# Altium PCB AX7021B.PcbDoc (part 5 of 6)
Units mil, origin at the board's own origin, x right, y up, seen from the top; angles counter-clockwise.
Board outline 5906.91 x 4331.71 mil, 4 copper layers (TOP, SGND, SVCC, BOTTOM), stack 63 mil thick; 463 components, 582 nets, 2114 pads, 861 vias.
Unrouted connection lines stored in the file: 129.
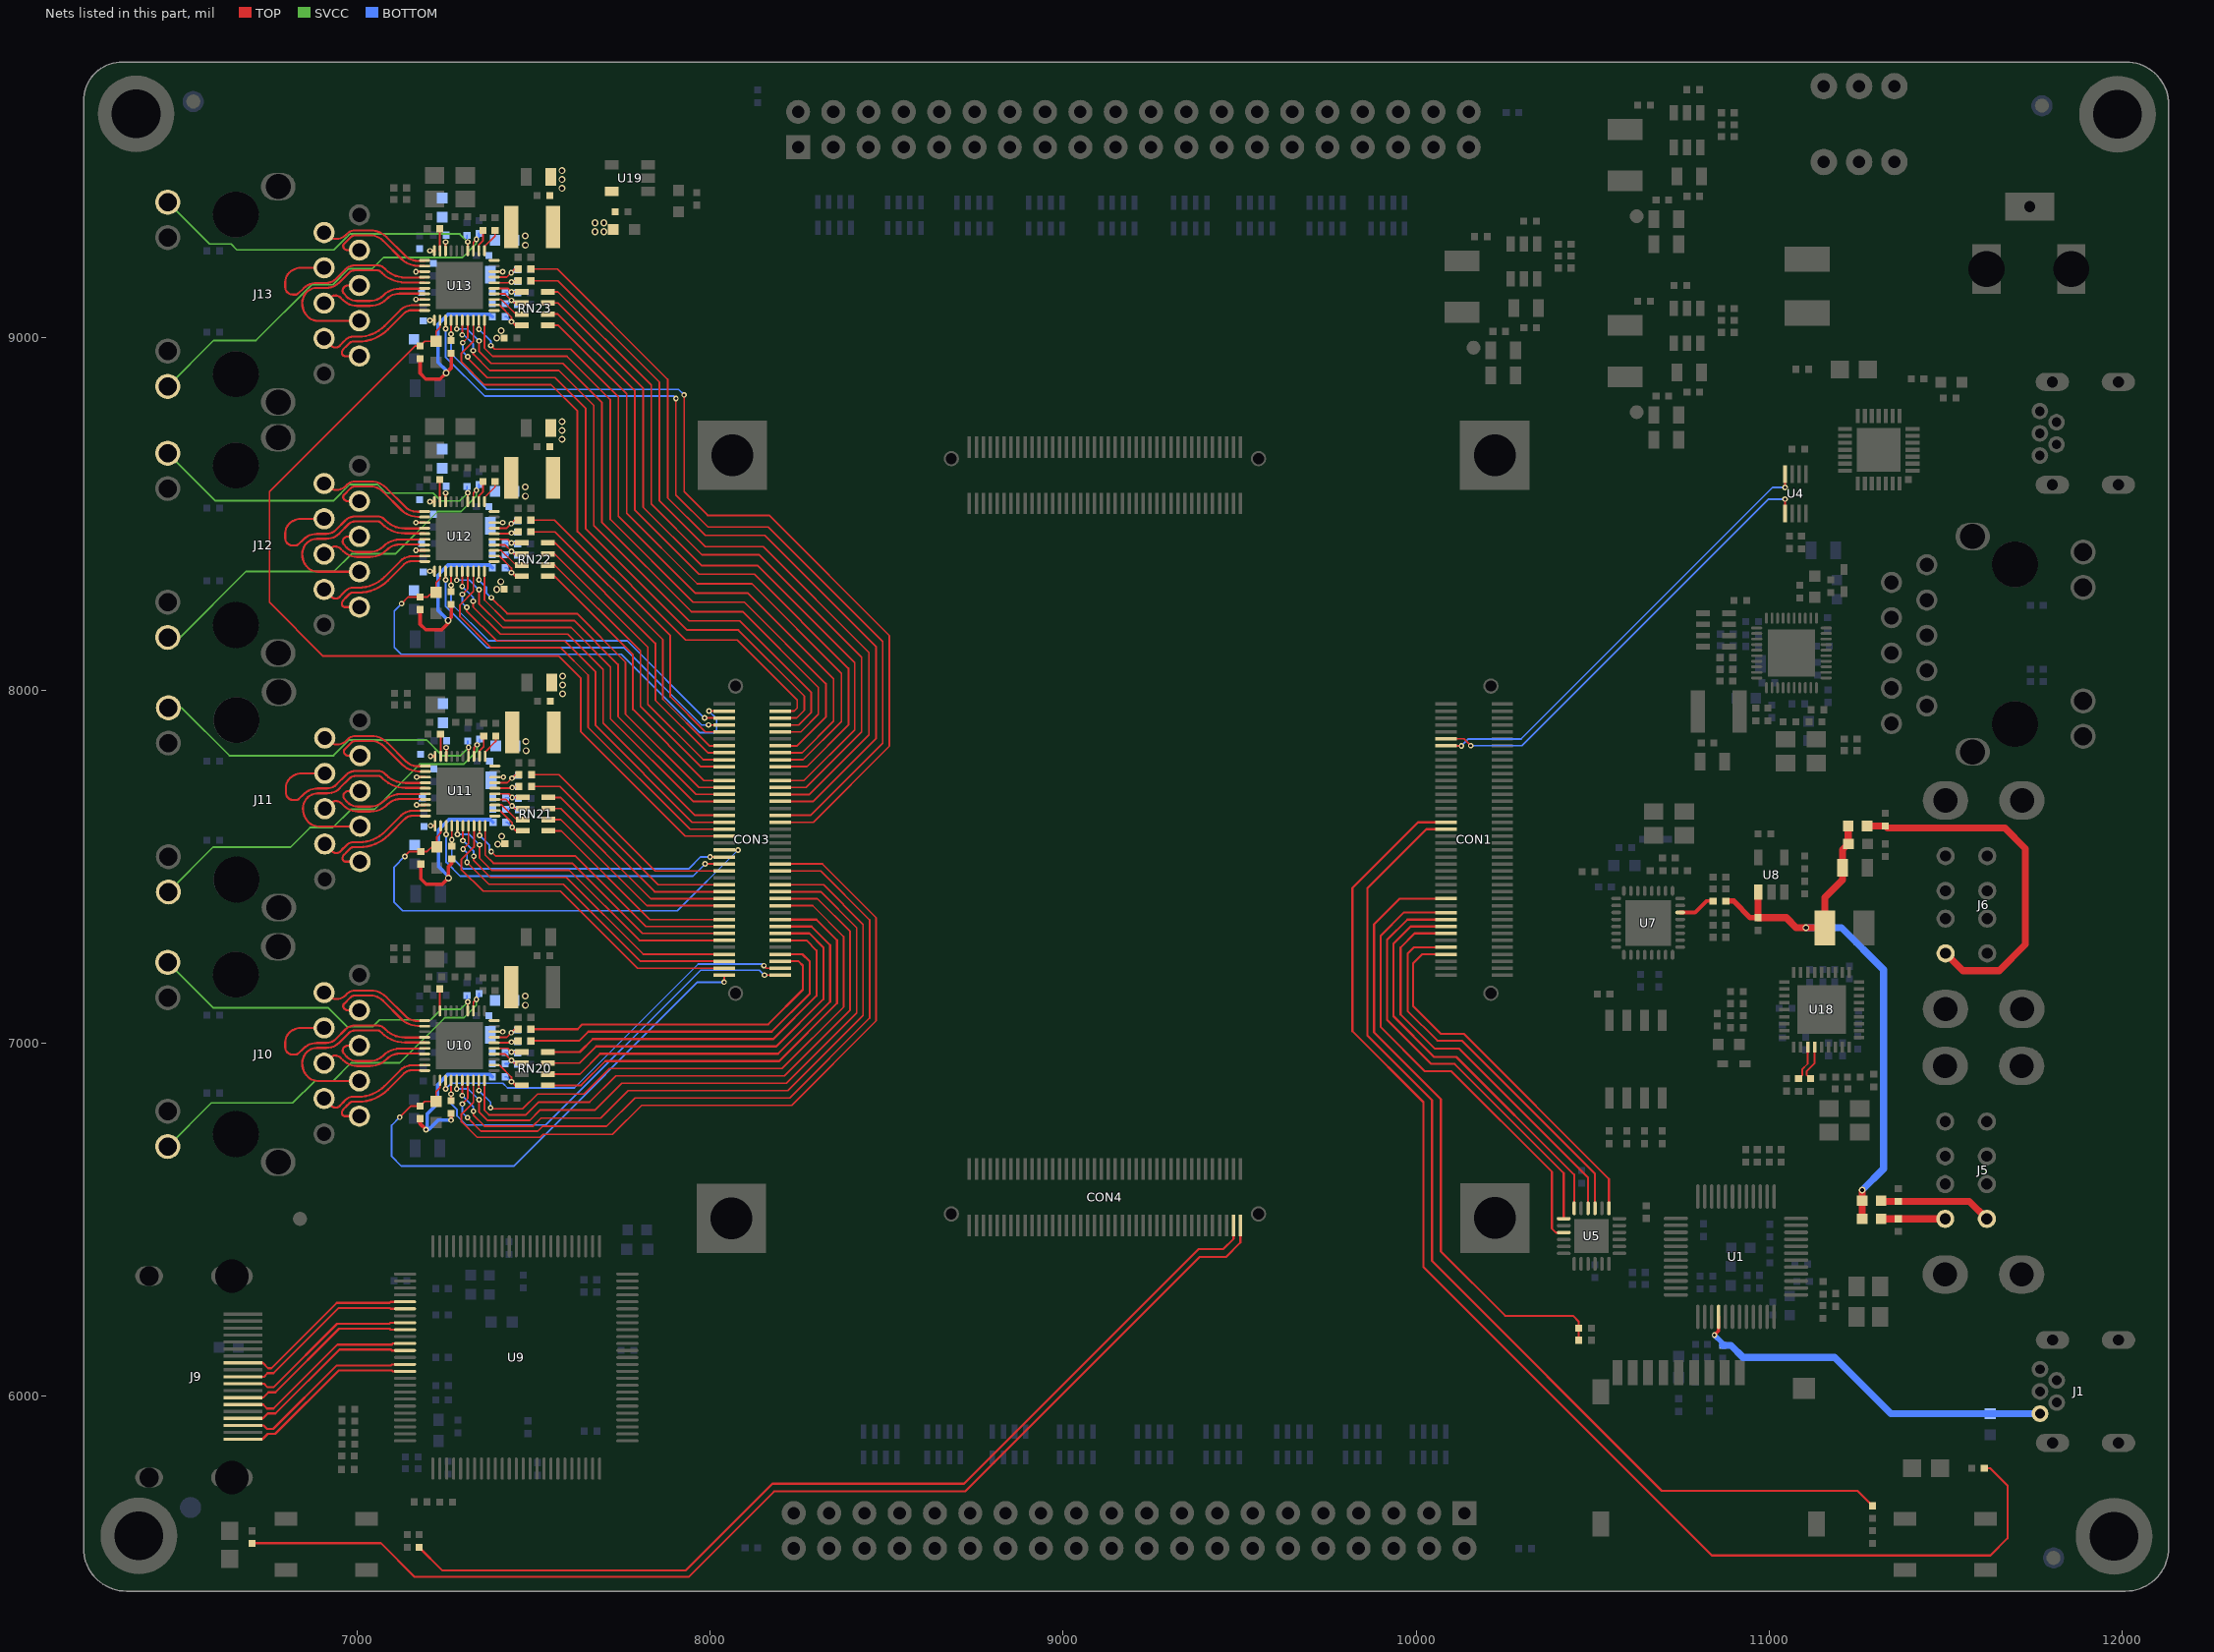
[diagram p7: the nets of this part, all layers, seen from the top]

## Via types
v1: diameter 16, hole 8, TOP to BOTTOM, 459 vias
v2: diameter 19, hole 12, TOP to BOTTOM, 320 vias
v3: diameter 19.69, hole 11.81, TOP to BOTTOM, 82 vias

## Nets (pads, with @x,y where several pads share a name; then routed paths per layer and width w, separated by ;. In a path a pad name is that pad's centre, name@x,y a point inside that pad or via, vN(x,y) a via of type N, cw(c..) or ccw(c..) an arc to the next point about the centre after c; other vN are vias at no path point) (continued)
PHY2_IODVDD: C1501.1 C1502.1 L69.2 R1043.2 R1055.2 R1056.2 R1057.2 R1060.2 U10.28 | length 474.7
  TOP w5: U10.28@7388.38,7033.1 v1(7412.49,7033.1)
  TOP w10: R1060.2@7178.45,6786.75 7178.45,6772.5 v1(7195,6755.95) ; v1(7266.37,6782.52) R1043.2@7266.37,6801.73
  BOTTOM w10: v1(7266.37,6782.52) 7229.92,6782.52 7203.35,6755.95 v1(7195,6755.95) 7198.26,6759.21 7198.26,6799.9 7227.71,6829.35 7227.71,6882.5 7257.98,6912.77 7375.87,6912.77 R1057.2@7383.35,6905.29
PHY2_LED1: J10.14 R1046.1 U10.33 | length 1112.6
  TOP w5: U10.33@7329.33,7092.15 7329.33,7116.35 v1(7337.78,7124.8)
  SVCC w5: J10.14@6463.63,6708.02 6587.03,6831.42 6817.72,6831.42 6879.56,6893.26 6931.26,6893.26 6982.88,6944.88 7120.31,6944.88 7248.43,7073 7303.08,7073 7337.78,7107.7 v1(7337.78,7124.8)
  BOTTOM w5: v1(7337.78,7124.8) 7345.76,7132.78 R1046.1@7345.76,7141.18
PHY2_LED2: J10.11 R1047.1 U10.34 | length 998.9
  TOP w5: U10.34@7313.58,7092.15 v1(7313.58,7117.21)
  SVCC w5: J10.11@6463.63,7229.67 6592.73,7100.57 6918.79,7100.57 6972.04,7047.32 7044.5,7047.32 7063.85,7066.67 7208.55,7066.67 7238.66,7096.78 7293.15,7096.78 v1(7313.58,7117.21)
  BOTTOM w5: R1047.1@7311.36,7135.72 7311.36,7119.43 v1(7313.58,7117.21)
PHY2_MDC: CON3.3 U10.13 | length 1134.9
  TOP w5: v1(7250.59,6871.01) U10.13@7250.59,6895.3 ; v1(8152.37,7220.12) 8159.44,7213.05 CON3.3@8199.12,7213.05
  BOTTOM w5: v1(7250.59,6871.01) 7266.55,6886.97 7413.21,6886.97 7426.21,6873.97 7615.5,6873.97 7966.25,7224.72 8147.77,7224.72 v1(8152.37,7220.12)
PHY2_MDI0_N: J10.P3 U10.2 | length 327.9
  TOP w6: J10.P3@7006.54,7093.85 6973.33,7093.85 cw(c6973.34,7106.86) 6964.14,7097.66 cw(c6972.52,7106.05) 6960.66,7106.05 cw(c6969.2,7106.07) 6963.16,7112.11 6981.48,7130.43 cw(c6994.64,7117.27) 6994.64,7135.88 7037.38,7135.88 cw(c7037.38,7084.6) 7073.64,7120.86 7125.73,7068.77 ccw(c7171.84,7114.88) 7171.84,7049.67 7190.7,7049.67 U10.2@7191.53,7048.84
PHY2_MDI0_P: J10.P2 U10.1 | length 328.8
  TOP w6: J10.P2@6906.54,7143.85 6913.16,7137.23 ccw(c6940.82,7164.89) 6968.48,7137.23 6971.58,7140.33 cw(c6994.64,7117.26) 6994.64,7149.88 7037.39,7149.88 cw(c7037.38,7084.6) 7083.54,7130.76 7135.63,7078.67 ccw(c7171.84,7114.88) 7171.84,7063.67 7190.61,7063.67 U10.1@7191.53,7064.59
PHY2_MDI1_N: J10.P7 U10.5 | length 591
  TOP w6: 6858.54,6976.22 ccw(c6886.32,6946.91) 6857.65,6975.35 ccw(c6888.79,6944.21) 6844.74,6944.21 6844.74,6943.77 ccw(c6899.41,6943.77) 6860.75,6905.12 ccw(c6887.96,6932.33) 6887.96,6893.85 J10.P7@7006.54,6893.85 ; 6858.53,6976.23 cw(c6886.19,6946.8) 6886.19,6987.19 6913.15,6987.19 ccw(c6913.15,7038.4) 6949.36,7002.19 6976.72,7029.56 cw(c6993.48,7012.79) 6993.48,7036.5 7058.54,7036.5 cw(c7058.54,7024.69) 7066.89,7033.04 7070.55,7029.38 ccw(c7135.54,7094.37) 7135.54,7002.46 7190.67,7002.46 U10.5@7191.53,7001.6
PHY2_MDI1_P: J10.P4 U10.4 | length 591.2
  TOP w6: J10.P4@6906.54,7043.85 6841.79,7043.85 ccw(c6841.79,6995.1) 6807.32,7029.57 ccw(c6833.25,7003.64) 6796.58,7003.64 6796.58,6988.48 ccw(c6815.77,6988.48) 6802.2,6974.91 6802.77,6974.34 ccw(c6817.77,6989.35) 6817.77,6968.13 6825.93,6968.13 ccw(c6825.93,6977.08) 6832.26,6970.75 6848.94,6986.43 cw(c6886.19,6946.8) 6886.19,7001.19 6913.14,7001.19 ccw(c6913.15,7038.4) 6939.46,7012.09 6966.82,7039.46 cw(c6993.48,7012.79) 6993.48,7050.5 7058.55,7050.5 cw(c7058.54,7024.69) 7076.79,7042.94 7080.45,7039.28 ccw(c7135.54,7094.37) 7135.54,7016.46 7190.64,7016.46 U10.4@7191.53,7017.35
PHY2_MDI2_N: J10.P6 U10.7 | length 311.4
  TOP w6: J10.P6@6906.54,6943.85 6921.21,6958.52 cw(c6937.66,6942.07) 6954.12,6958.52 6960.41,6952.23 ccw(c6999.74,6991.56) 6999.74,6935.94 7035.99,6935.94 ccw(c7035.99,7004.39) 7084.39,6955.99 cw(c7120.51,6919.87) 7120.51,6970.95 7190.68,6970.95 U10.7@7191.53,6970.1
PHY2_MDI2_P: J10.P5 U10.6 | length 310.8
  TOP w6: J10.P5@7006.54,6993.85 6974.03,6993.85 ccw(c6974.03,6979.51) 6963.88,6989.64 6962.51,6988.28 ccw(c6970.88,6979.91) 6961.8,6972.31 6970.31,6962.13 ccw(c6999.74,6991.56) 6999.74,6949.94 7035.98,6949.94 ccw(c7035.99,7004.39) 7074.49,6965.89 cw(c7120.51,6919.87) 7120.51,6984.95 7190.63,6984.95 U10.6@7191.53,6985.85
PHY2_MDI3_N: J10.P9 U10.10 | length 336.1
  TOP w6: J10.P9@7006.54,6793.85 6965.84,6793.85 cw(c6965.84,6802.83) 6956.86,6802.83 cw(c6972.07,6802.86) 6961.11,6813.41 6969.59,6822.22 6977.9,6830.53 cw(c6988.31,6820.11) 6988.3,6834.84 7004.49,6834.84 ccw(c7004.49,6952.05) 7087.37,6869.17 7133.06,6914.86 cw(c7154.35,6893.57) 7154.35,6923.68 7190.71,6923.68 U10.10@7191.53,6922.86
PHY2_MDI3_P: J10.P8 U10.9 | length 336.7
  TOP w6: J10.P8@6906.54,6843.85 6927.45,6822.93 ccw(c6939.13,6834.61) 6951.03,6823.15 6959.5,6831.94 cw(c6973.77,6817.93) 6959.76,6832.2 6968,6840.44 cw(c6988.3,6820.11) 6988.29,6848.84 7004.5,6848.84 ccw(c7004.49,6952.05) 7077.47,6879.07 7123.16,6924.76 cw(c7154.35,6893.57) 7154.35,6937.68 7190.6,6937.68 U10.9@7191.53,6938.61
PHY2_MDIO: CON3.1 R1043.1 U10.14 | length 1240.7
  TOP w5: R1043.1@7266.37,6837.73 7266.37,6855.79 7266.33,6855.83 v1(7266.33,6856.53) U10.14@7266.33,6895.3 ; v1(8153.87,7193.36) CON3.1@8199.12,7193.36
  BOTTOM w5: v1(7266.33,6856.53) 7266.33,6829.24 7283.05,6812.52 7283.05,6794.63 7308.85,6768.83 7534.7,6768.83 7973.33,7207.46 8139.77,7207.46 v1(8153.87,7193.36)
PHY2_REGOUT: L66.1 U10.30
PHY2_RESET: C1510.1 CON3.2 R1060.1 U10.12 | length 1494.9
  TOP w5: v1(7120.91,6790.86) 7152.8,6822.75 R1060.1@7178.45,6822.75 7191.57,6835.87 C1510.1@7223.96,6835.87 7223.96,6863.87 7234.84,6874.75 U10.12@7234.84,6895.3 ; v1(8039.68,7173.54) CON3.2@8039.68,7193.36
  BOTTOM w5: v1(7120.91,6790.86) 7098.1,6768.05 7098.1,6679.76 7125.64,6652.22 7443.2,6652.22 7964.52,7173.54 v1(8039.68,7173.54)
PHY2_RSET: R1050.2 U10.39 | length 62.6
  TOP w6: R1050.2@7234.46,7154.63 7234.58,7154.51 7234.58,7092.41 U10.39@7234.84,7092.15
PHY2_RXC_ADR1: R1048.1 R1058.2 U10.27 | length 99.3
  TOP w5: U10.27@7388.38,7017.35 7423.75,7017.35 v1(7436.59,7030.19) 7446.79,7040.39 R1048.1@7456.42,7040.39
  BOTTOM w5: v1(7436.59,7030.19) 7444.75,7038.35 R1058.2@7454.88,7038.35
PHY2_RXCK: CON3.5 R1048.2 | length 953.5
  TOP w6: R1048.2@7492.42,7040.39 7624.53,7040.39 7638.06,7053.92 8164.44,7053.92 8262.68,7152.16 8262.68,7220.54 8250.49,7232.73 CON3.5@8199.12,7232.73
PHY2_RXCTL: CON3.7 R1049.2 | length 1027.7
  TOP w6: R1049.2@7492.42,7007.07 7628.88,7007.07 7654.9,7033.09 8174.61,7033.09 8282.05,7140.53 8282.05,7231.88 8261.51,7252.42 CON3.7@8199.12,7252.42
PHY2_RXCTL_ADR2: R1049.1 R1059.2 U10.26 | length 88.4
  TOP w5: U10.26@7388.38,7001.6 7435.46,7001.6 v1(7437.58,7003.72) 7440.93,7007.07 R1049.1@7456.42,7007.07
  BOTTOM w5: v1(7437.58,7003.72) 7439.57,7005.71 R1059.2@7454.88,7005.71
PHY2_RXD0: CON3.11 RN20.4 | length 1069.8
  TOP w6: RN20.4@7540.28,6975.74 7631,6975.74 7667.52,7012.26 8179.22,7012.26 8301.42,7134.46 8301.42,7263.3 8272.93,7291.79 CON3.11@8199.12,7291.79
PHY2_RXD0_RXDLY: R1054.2 R1055.1 RN20.5 U10.25 | length 120.3
  TOP w5: U10.25@7388.38,6985.85 7427.48,6985.85 v1(7437.59,6975.74) RN20.5@7467.13,6975.74
  BOTTOM w5: R1055.1@7418.94,6974.99 7436.84,6974.99 v1(7437.59,6975.74) 7440.26,6973.07 R1054.2@7454.88,6973.07
PHY2_RXD1: CON3.13 RN20.3 | length 1140.5
  TOP w5: RN20.3@7540.28,6944.24 7629.93,6944.24 7677.12,6991.43
  TOP w6: 7677.12,6991.43 8187.39,6991.43 8320.79,7124.83 8320.79,7271.93 8281.25,7311.47 CON3.13@8199.12,7311.47
PHY2_RXD1_TXDLY: R1053.2 R1056.1 RN20.6 U10.24 | length 134
  TOP w5: U10.24@7388.38,6970.1 7418.92,6970.1 v1(7437.32,6951.7) 7444.78,6944.24 RN20.6@7467.13,6944.24
  BOTTOM w5: R1056.1@7418.94,6942.17 7427.79,6942.17 v1(7437.32,6951.7) 7448.59,6940.43 R1053.2@7454.88,6940.43
PHY2_RXD2: CON3.15 RN20.2 | length 1208.2
  TOP w5: RN20.2@7540.28,6912.75 7630.92,6912.75 7688.77,6970.6
  TOP w6: 7688.77,6970.6 8192.56,6970.6 8340.16,7118.2 8340.16,7278.56 8287.56,7331.16 CON3.15@8199.12,7331.16
PHY2_RXD3: CON3.17 RN20.1 | length 1278.8
  TOP w5: RN20.1@7540.28,6881.25 7634.7,6881.25 7703.22,6949.77
  TOP w6: 7703.22,6949.77 8195.73,6949.77 8359.53,7113.57 8359.53,7292.19 8300.88,7350.84 CON3.17@8199.12,7350.84
PHY2_RXD3_ADR0: R1057.1 RN20.8 U10.22 | length 133.9
  TOP w5: U10.22@7388.38,6938.61 7402.98,6938.61 7437.45,6904.14 v1(7437.45,6891.29) 7447.49,6881.25 RN20.8@7467.13,6881.25
  BOTTOM w5: R1057.1@7419.35,6905.29 7423.45,6905.29 v1(7437.45,6891.29)
PHY2_TXCK: CON3.23 U10.20 | length 1707.7
  TOP w5: U10.20@7360.82,6895.3 7360.82,6810.34 7373.4,6797.76 7478.74,6797.76 7514.75,6833.77 7658.62,6833.77 7732.96,6908.11 8210.49,6908.11 8396.77,7094.39 8396.77,7316.95 8303.82,7409.9 CON3.23@8199.12,7409.9
PHY2_TXCTL: CON3.21 U10.19 | length 1627.1
  TOP w5: v1(7345.07,6866.55) U10.19@7345.07,6895.3 ; v1(7378.1,6817.68) 7381.14,6814.64 7469.24,6814.64 7511.21,6856.61 7643.28,6856.61 7715.61,6928.94 8203.9,6928.94 8378.4,7103.44 8378.4,7302.32 8290.51,7390.21 CON3.21@8199.12,7390.21
  BOTTOM w5: v1(7345.07,6866.55) 7378.1,6833.52 v1(7378.1,6817.68)
PHY2_TXD0: CON3.33 U10.18 | length 2087.2
  TOP w5: U10.18@7329.33,6895.3 7329.33,6833.42 7295.7,6799.79 7295.7,6778.24 7340.03,6733.91 7518.89,6733.91 7527.39,6742.41 7723.78,6742.41 7806.16,6824.79 8231.17,6824.79 8470.25,7063.87 8470.25,7356.47 8318.4,7508.32 CON3.33@8199.12,7508.32
PHY2_TXD1: CON3.31 U10.17 | length 1994.2
  TOP w5: v1(7298.07,6828.5) 7313.58,6844.01 U10.17@7313.58,6895.3 ; v1(7312.71,6789.73) 7350.89,6751.55 7511.64,6751.55 7525.34,6765.25 7706.51,6765.25 7786.88,6845.62 8226,6845.62 8451.88,7071.5 8451.88,7349.84 8313.08,7488.64 CON3.31@8199.12,7488.64
  BOTTOM w5: v1(7298.07,6828.5) 7298.07,6804.37 v1(7312.71,6789.73)
PHY2_TXD2: CON3.27 U10.16 | length 1896.9
  TOP w5: v1(7297.83,6852.45) U10.16@7297.83,6895.3 ; v1(7329.43,6807.93) 7329.43,6797.1 7360.9,6765.63 7498.53,6765.63 7520.99,6788.09 7689.76,6788.09 7768.12,6866.45 8220.41,6866.45 8433.51,7079.55 8433.51,7337.21 8321.45,7449.27 CON3.27@8199.12,7449.27
  BOTTOM w5: v1(7297.83,6852.45) 7329.43,6820.85 v1(7329.43,6807.93)
PHY2_TXD3: CON3.25 U10.15 | length 1840.2
  TOP w5: v1(7282.08,6870.96) U10.15@7282.08,6895.3 ; v1(7345.3,6840.48) 7345.3,6806.42 7369.81,6781.91 7488.85,6781.91 7517.87,6810.93 7673.45,6810.93 7749.8,6887.28 8216.66,6887.28 8415.14,7085.76 8415.14,7327.58 8313.14,7429.58 CON3.25@8199.12,7429.58
  BOTTOM w5: v1(7282.08,6870.96) 7314.82,6870.96 v1(7345.3,6840.48)
PHY3_ADVDDL: C1517.1 C1518.1 C1520.1 L72.2 U11.3 U11.8 U11.38 | length 74.4
  TOP w7.48: v1(7168.74,7675.36) U11.8@7193.52,7675.37 ; v1(7168.74,7754.1) U11.3@7193.52,7754.11 ; U11.38@7252.58,7813.16 v1(7252.57,7837.94)
PHY3_AVDD33: C1522.1 C1523.1 L71.2 U11.11 U11.40 | length 25.8
  TOP w7.5: v1(7208.18,7616.31) U11.11@7221.08,7616.31 ; v1(7208.18,7813.16) U11.40@7221.08,7813.16
PHY3_DVDDL: C1515.1 C1516.1 C1519.1 L70.2 L72.1 U11.21
  other v3: 7398.31,7564.33 7409.35,7586.86 7582.39,7989.97 7582.39,8014.97 7582.39,8039.97
PHY3_ENB_LDO: R1062.1 U11.32 | length 62.4
  TOP w5: U11.32@7347.06,7813.16 7347.06,7829.33 7358.55,7840.82 R1062.1@7358.55,7870.8
PHY3_ETH_RXD2: RN21.7 U11.23 | length 96
  TOP w5: U11.23@7390.37,7675.37 7410.21,7675.37 7451.82,7633.76 RN21.7@7469.12,7633.76
PHY3_INT_N: R1078.2 U11.31 | length 70
  TOP w5: U11.31@7362.81,7813.16 7362.81,7825.4 7392.68,7855.27 R1078.2@7392.68,7870.8
PHY3_IODVDD: C1524.1 C1525.1 L73.2 R1072.2 R1073.2 R1074.2 R1077.2 R1079.2 U11.28 | length 534.1
  TOP w5: U11.28@7390.37,7754.11 v1(7414.48,7754.11)
  TOP w10: R1077.2@7180.44,7507.76 7180.44,7466.24 7196.19,7450.49 7241.32,7450.49 v3(7258.82,7467.99) 7258.82,7500.46 7268.36,7510 R1079.2@7268.36,7522.74
  BOTTOM w10: v3(7258.82,7467.99) 7258.82,7473.22 7231.26,7500.78 7231.26,7605.07 7259.97,7633.78 7377.86,7633.78 R1074.2@7385.34,7626.3
PHY3_LED1: J11.14 R1063.1 U11.33 | length 1112.7
  TOP w5: U11.33@7331.32,7813.16 7331.32,7837.36 v1(7339.77,7845.81)
  SVCC w5: J11.14@6465.62,7429.03 6592.42,7555.83 6811.37,7555.83 6867.16,7611.62 6931.42,7611.62 6982.62,7662.82 7049.14,7662.82 7177.19,7790.87 7302.07,7790.87 7339.77,7828.57 v1(7339.77,7845.81)
  BOTTOM w5: v1(7339.77,7845.81) 7347.75,7853.79 R1063.1@7347.75,7862.19
PHY3_LED2: J11.11 R1064.1 U11.34 | length 997.3
  TOP w5: U11.34@7315.57,7813.16 v1(7315.57,7838.22)
  SVCC w5: J11.11@6465.62,7950.68 6503.02,7950.68 6638.49,7815.21 6933.3,7815.21 6977.61,7859.52 7196.51,7859.52 7241.47,7814.56 7291.91,7814.56 v1(7315.57,7838.22)
  BOTTOM w5: R1064.1@7313.35,7856.73 7313.35,7840.44 v1(7315.57,7838.22)
PHY3_MDC: CON3.34 U11.13 | length 920.9
  TOP w5: v1(7252.58,7592.02) U11.13@7252.58,7616.31 ; v1(7985.81,7508.32) CON3.34@8039.68,7508.32
  BOTTOM w5: v1(7252.58,7592.02) 7252.58,7513.04 7291.85,7473.77 7951.26,7473.77 v1(7985.81,7508.32)
PHY3_MDI0_N: J11.P3 U11.2 | length 327.9
  TOP w6: 6962.65,7827.06 ccw(c6974.51,7827.06) 6966.13,7818.67 ccw(c6975.33,7827.87) 6975.32,7814.86 J11.P3@7008.53,7814.86 ; 6962.65,7827.08 cw(c6971.19,7827.08) 6965.15,7833.12 6983.47,7851.44 cw(c6996.63,7838.28) 6996.63,7856.89 7039.37,7856.89 cw(c7039.37,7805.61) 7075.63,7841.87 7127.72,7789.78 ccw(c7173.83,7835.89) 7173.83,7770.68 7192.69,7770.68 U11.2@7193.52,7769.85
PHY3_MDI0_P: J11.P2 U11.1 | length 328.8
  TOP w6: J11.P2@6908.53,7864.86 6915.15,7858.24 ccw(c6942.81,7885.9) 6970.47,7858.24 6973.57,7861.34 cw(c6996.63,7838.27) 6996.63,7870.89 7039.38,7870.89 cw(c7039.37,7805.61) 7085.53,7851.77 7137.62,7799.68 ccw(c7173.83,7835.89) 7173.83,7784.68 7192.6,7784.68 U11.1@7193.52,7785.6
PHY3_MDI1_N: J11.P7 U11.5 | length 591
  TOP w6: 6860.52,7697.24 cw(c6888.18,7667.81) 6888.18,7708.2 6915.14,7708.2 ccw(c6915.14,7759.41) 6951.35,7723.2 6978.71,7750.57 cw(c6995.47,7733.8) 6995.47,7757.51 ; 6860.53,7697.23 ccw(c6888.31,7667.92) 6859.64,7696.36 ccw(c6890.78,7665.22) 6846.73,7665.22 6846.73,7664.78 ccw(c6901.4,7664.78) 6862.74,7626.13 ccw(c6889.95,7653.34) 6889.95,7614.86 J11.P7@7008.53,7614.86 ; 6995.48,7757.51 7060.53,7757.51 cw(c7060.53,7745.7) 7068.88,7754.05 7072.54,7750.39 ccw(c7137.53,7815.38) 7137.53,7723.47 7192.66,7723.47 U11.5@7193.52,7722.61
PHY3_MDI1_P: J11.P4 U11.4 | length 591.2
  TOP w6: J11.P4@6908.53,7764.86 6843.78,7764.86 ccw(c6843.78,7716.11) 6809.31,7750.58 ccw(c6835.24,7724.65) 6798.57,7724.65 6798.57,7709.49 ccw(c6817.76,7709.49) 6804.19,7695.92 6804.76,7695.35 ccw(c6819.76,7710.36) 6819.76,7689.14 6827.92,7689.14 ccw(c6827.92,7698.09) 6834.25,7691.76 6850.93,7707.44 cw(c6888.18,7667.81) 6888.18,7722.2 6915.13,7722.2 ccw(c6915.14,7759.41) 6941.45,7733.1 6968.81,7760.47 cw(c6995.47,7733.8) 6995.47,7771.51 ; 6995.48,7771.51 7060.54,7771.51 cw(c7060.53,7745.7) 7078.78,7763.95 7082.44,7760.29 ccw(c7137.53,7815.38) 7137.53,7737.47 7192.63,7737.47 U11.4@7193.52,7738.36
PHY3_MDI2_N: J11.P6 U11.7 | length 311.4
  TOP w6: J11.P6@6908.53,7664.86 6923.2,7679.53 cw(c6939.65,7663.08) 6956.11,7679.53 6962.4,7673.24 ccw(c7001.73,7712.57) 7001.73,7656.95 7037.98,7656.95 ccw(c7037.98,7725.4) 7086.38,7677 cw(c7122.5,7640.88) 7122.5,7691.96 7192.67,7691.96 U11.7@7193.52,7691.11
PHY3_MDI2_P: J11.P5 U11.6 | length 310.8
  TOP w6: J11.P5@7008.53,7714.86 6976.02,7714.86 ccw(c6976.02,7700.52) 6965.87,7710.65 6964.5,7709.29 ccw(c6972.87,7700.92) 6963.79,7693.32 6972.3,7683.14 ccw(c7001.73,7712.57) 7001.73,7670.95 7037.97,7670.95 ; 7037.98,7670.95 ccw(c7037.98,7725.4) 7076.48,7686.9 cw(c7122.5,7640.88) 7122.5,7705.96 7192.62,7705.96 U11.6@7193.52,7706.86
PHY3_MDI3_N: J11.P9 U11.10 | length 336.1
  TOP w6: J11.P9@7008.53,7514.86 6967.83,7514.86 cw(c6967.83,7523.84) 6958.85,7523.84 cw(c6974.06,7523.87) 6963.1,7534.42 6971.58,7543.23 6979.89,7551.54 cw(c6990.3,7541.12) 6990.29,7555.85 7006.48,7555.85 ccw(c7006.48,7673.06) 7089.36,7590.18 7135.05,7635.87 cw(c7156.34,7614.58) 7156.34,7644.69 7192.7,7644.69 U11.10@7193.52,7643.87
PHY3_MDI3_P: J11.P8 U11.9 | length 336.7
  TOP w6: J11.P8@6908.53,7564.86 6929.44,7543.94 ccw(c6941.12,7555.62) 6953.02,7544.16 6961.49,7552.95 cw(c6975.76,7538.94) 6961.75,7553.21 6969.99,7561.45 cw(c6990.29,7541.12) 6990.28,7569.85 7006.49,7569.85 ccw(c7006.48,7673.06) 7079.46,7600.08 7125.15,7645.77 cw(c7156.34,7614.58) 7156.34,7658.69 7192.59,7658.69 U11.9@7193.52,7659.62
PHY3_MDIO: CON3.36 R1079.1 U11.14 | length 905.9
  TOP w5: U11.14@7268.32,7616.31 v1(7268.32,7576.84) 7268.36,7576.8 R1079.1@7268.36,7558.74 ; v1(8000.18,7528.01) CON3.36@8039.68,7528.01
  BOTTOM w5: v1(7268.32,7576.84) 7268.32,7527.49 7301.39,7494.42 7938.87,7494.42 7972.46,7528.01 v1(8000.18,7528.01)
PHY3_REGOUT: L70.1 U11.30
PHY3_RESET: C1527.1 CON3.38 R1077.1 U11.12 | length 1403.2
  TOP w5: v1(7135.09,7529.73) 7149.12,7543.76 R1077.1@7180.44,7543.76 7198.91,7543.76 7212.03,7556.88 C1527.1@7225.95,7556.88 7225.95,7584.88 7236.83,7595.76 U11.12@7236.83,7616.31 ; CON3.38@8039.68,7547.69 v1(8079.04,7547.69)
  BOTTOM w5: v1(7135.09,7529.73) 7105.01,7499.65 7105.01,7399.42 7128.68,7375.75 7907.1,7375.75 v1(8079.04,7547.69)
PHY3_RSET: R1067.2 U11.39 | length 62.6
  TOP w6: R1067.2@7236.45,7875.64 7236.57,7875.52 7236.57,7813.42 U11.39@7236.83,7813.16
PHY3_RXC_ADR1: R1066.1 R1075.2 U11.27 | length 99.3
  TOP w5: U11.27@7390.37,7738.36 7425.74,7738.36 v1(7438.58,7751.2) 7448.78,7761.4 R1066.1@7458.41,7761.4
  BOTTOM w5: v1(7438.58,7751.2) 7446.74,7759.36 R1075.2@7456.87,7759.36
PHY3_RXCK: CON3.32 R1066.2 | length 658.3
  TOP w5: R1066.2@7494.41,7761.4 7572.02,7761.4 7844.78,7488.64 CON3.32@8039.68,7488.64
PHY3_RXCTL: CON3.28 R1065.2 | length 660.8
  TOP w5: R1065.2@7494.41,7728.08 7574.34,7728.08 7853.15,7449.27 CON3.28@8039.68,7449.27
PHY3_RXCTL_ADR2: R1065.1 R1076.2 U11.26 | length 88.4
  TOP w5: U11.26@7390.37,7722.61 7437.45,7722.61 v1(7439.57,7724.73) 7442.92,7728.08 R1065.1@7458.41,7728.08
  BOTTOM w5: v1(7439.57,7724.73) 7441.56,7726.72 R1076.2@7456.87,7726.72
PHY3_RXD0: CON3.26 RN21.4 | length 608.1
  TOP w5: RN21.4@7542.27,7696.75 7575.67,7696.75 7842.84,7429.58 CON3.26@8039.68,7429.58
PHY3_RXD0_RXDLY: R1071.2 R1072.1 RN21.5 U11.25 | length 120.3
  TOP w5: U11.25@7390.37,7706.86 7429.47,7706.86 v1(7439.58,7696.75) RN21.5@7469.12,7696.75
  BOTTOM w5: R1072.1@7420.93,7696 7438.83,7696 v1(7439.58,7696.75) 7442.25,7694.08 R1071.2@7456.87,7694.08
PHY3_RXD1: CON3.24 RN21.3 | length 603.2
  TOP w5: RN21.3@7542.27,7665.25 7577.04,7665.25 7832.39,7409.9 CON3.24@8039.68,7409.9
PHY3_RXD1_TXDLY: R1070.2 R1073.1 RN21.6 U11.24 | length 134
  TOP w5: U11.24@7390.37,7691.11 7420.91,7691.11 v1(7439.31,7672.71) 7446.77,7665.25 RN21.6@7469.12,7665.25
  BOTTOM w5: R1073.1@7420.93,7663.18 7429.78,7663.18 v1(7439.31,7672.71) 7450.58,7661.44 R1070.2@7456.87,7661.44
PHY3_RXD2: CON3.22 RN21.2 | length 598.3
  TOP w5: RN21.2@7542.27,7633.76 7577.43,7633.76 7820.98,7390.21 CON3.22@8039.68,7390.21
PHY3_RXD3: CON3.18 RN21.1 | length 601.6
  TOP w5: RN21.1@7542.27,7602.26 7577.93,7602.26 7829.35,7350.84 CON3.18@8039.68,7350.84
PHY3_RXD3_ADR0: R1074.1 RN21.8 U11.22 | length 133.9
  TOP w5: U11.22@7390.37,7659.62 7404.97,7659.62 7439.44,7625.15 v1(7439.44,7612.3) 7449.48,7602.26 RN21.8@7469.12,7602.26
  BOTTOM w5: R1074.1@7421.34,7626.3 7425.44,7626.3 v1(7439.44,7612.3)
PHY3_TXCK: CON3.14 U11.20 | length 851.6
  TOP w5: U11.20@7362.81,7616.31 7362.81,7533.62 7386.13,7510.3 7608.96,7510.3 7807.79,7311.47 CON3.14@8039.68,7311.47
PHY3_TXCTL: CON3.16 U11.19 | length 834
  TOP w5: v1(7347.06,7589.13) U11.19@7347.06,7616.31 ; v1(7379.92,7543.73) 7392.95,7530.7 7618.5,7530.7 7818.04,7331.16 CON3.16@8039.68,7331.16
  BOTTOM w5: v1(7347.06,7589.13) 7374.56,7561.63 7374.56,7549.09 v1(7379.92,7543.73)
PHY3_TXD0: CON3.4 U11.18 | length 998.7
  TOP w5: U11.18@7331.32,7616.31 7331.32,7556.21 7295.21,7520.1 7295.21,7492.91 7356.92,7431.2 7576.17,7431.2 7794.32,7213.05 CON3.4@8039.68,7213.05
PHY3_TXD1: CON3.6 U11.17 | length 958.6
  TOP w5: v1(7300.45,7550.64) 7315.57,7565.76 U11.17@7315.57,7616.31 ; v1(7311.31,7512.87) 7373.3,7450.88 7584.33,7450.88 7802.48,7232.73 CON3.6@8039.68,7232.73
  BOTTOM w5: v1(7300.45,7550.64) 7311.31,7539.78 v1(7311.31,7512.87)
PHY3_TXD2: CON3.8 U11.16 | length 930.5
  TOP w5: v1(7299.82,7574.49) U11.16@7299.82,7616.31 ; v1(7330.59,7530.12) 7330.59,7517.49 7377.51,7470.57 7592.49,7470.57 7810.64,7252.42 CON3.8@8039.68,7252.42
  BOTTOM w5: v1(7299.82,7574.49) 7330.59,7543.72 v1(7330.59,7530.12)
PHY3_TXD3: CON3.12 U11.15 | length 926.1
  TOP w5: v1(7284.07,7592.25) U11.15@7284.07,7616.31 ; v1(7346.88,7562.16) 7346.88,7524.73 7380.99,7490.62 7600.8,7490.62 7799.63,7291.79 CON3.12@8039.68,7291.79
  BOTTOM w5: v1(7284.07,7592.25) 7316.79,7592.25 v1(7346.88,7562.16)
PHY4_ADVDDL: C1534.1 C1535.1 C1537.1 L76.2 U12.3 U12.8 U12.38 | length 74.4
  TOP w7.48: v1(7166.74,8396.36) U12.8@7191.52,8396.37 ; v1(7166.74,8475.1) U12.3@7191.52,8475.11 ; U12.38@7250.58,8534.16 v1(7250.57,8558.94)

## Text inside footprints (layer, text, board x,y; h text height)
R1026: PIN_NUMBER "1" at 11164.64,8276.94 h25 r90; PIN_NUMBER "2" at 11164.64,8312.94 h25 r90
R1027: PIN_NUMBER "1" at 11076.72,8261.96 h25 r90; PIN_NUMBER "2" at 11076.72,8297.96 h25 r90
R1028: PIN_NUMBER "2" at 10986.53,7913.9 h25 r270; PIN_NUMBER "1" at 10986.53,7949.9 h25 r270
R1029: PIN_NUMBER "2" at 11766.54,8059.67 h25 r180; PIN_NUMBER "1" at 11730.54,8059.67 h25 r180
R1030: PIN_NUMBER "2" at 10997.33,7922.51 h25 r90; PIN_NUMBER "1" at 10997.33,7958.51 h25 r90
R1031: PIN_NUMBER "2" at 10850.67,8059.3 h25 r180; PIN_NUMBER "1" at 10886.67,8059.3 h25 r180
R1032: PIN_NUMBER "2" at 10850.67,8092.62 h25 r180; PIN_NUMBER "1" at 10886.67,8092.62 h25 r180
R1033: PIN_NUMBER "1" at 11144.63,7945.06 h25 r180; PIN_NUMBER "2" at 11108.63,7945.06 h25 r180
R1034: PIN_NUMBER "2" at 11730.54,8240.59 h25; PIN_NUMBER "1" at 11766.54,8240.59 h25
R1035: PIN_NUMBER "2" at 11730.54,8024.96 h25; PIN_NUMBER "1" at 11766.54,8024.96 h25
R1036: PIN_NUMBER "1" at 10852.21,8126.62 h25 r180; PIN_NUMBER "2" at 10888.21,8126.62 h25 r180
R1037: PIN_NUMBER "1" at 10852.21,8159.26 h25 r180; PIN_NUMBER "2" at 10888.21,8159.26 h25 r180
R1038: PIN_NUMBER "2" at 10960.15,8157.52 h25 r180; PIN_NUMBER "1" at 10924.15,8157.52 h25 r180
R1039: PIN_NUMBER "2" at 10960.15,8124.7 h25 r180; PIN_NUMBER "1" at 10924.15,8124.7 h25 r180
R1040: PIN_NUMBER "2" at 10959.74,8194.4 h25 r180; PIN_NUMBER "1" at 10923.74,8194.4 h25 r180
R1041: PIN_NUMBER "1" at 10852.21,8061.34 h25 r180; PIN_NUMBER "2" at 10888.21,8061.34 h25 r180
R1042: PIN_NUMBER "1" at 10852.21,8093.98 h25 r180; PIN_NUMBER "2" at 10888.21,8093.98 h25 r180
R1043: PIN_NUMBER "1" at 7256.37,6837.73 h25 r270; PIN_NUMBER "2" at 7256.37,6801.73 h25 r270
R1045: PIN_NUMBER "2" at 7346.56,7185.79 h25 r90; PIN_NUMBER "1" at 7346.56,7149.79 h25 r90
R1046: PIN_NUMBER "2" at 7335.76,7177.18 h25 r270; PIN_NUMBER "1" at 7335.76,7141.18 h25 r270
R1047: PIN_NUMBER "2" at 7301.36,7171.72 h25 r270; PIN_NUMBER "1" at 7301.36,7135.72 h25 r270
R1048: PIN_NUMBER "2" at 7482.42,7040.39 h25; PIN_NUMBER "1" at 7446.42,7040.39 h25
R1049: PIN_NUMBER "2" at 7482.42,7007.07 h25; PIN_NUMBER "1" at 7446.42,7007.07 h25
R1050: PIN_NUMBER "1" at 7188.46,7154.63 h25; PIN_NUMBER "2" at 7224.46,7154.63 h25
R1051: PIN_NUMBER "2" at 6600.55,6859.35 h25 r180; PIN_NUMBER "1" at 6564.55,6859.35 h25 r180
R1052: PIN_NUMBER "2" at 6600.55,7079.69 h25 r180; PIN_NUMBER "1" at 6564.55,7079.69 h25 r180
R1053: PIN_NUMBER "1" at 7480.88,6940.43 h25; PIN_NUMBER "2" at 7444.88,6940.43 h25
R1054: PIN_NUMBER "1" at 7480.88,6973.07 h25; PIN_NUMBER "2" at 7444.88,6973.07 h25
R1055: PIN_NUMBER "1" at 7408.94,6974.99 h25; PIN_NUMBER "2" at 7372.94,6974.99 h25
R1056: PIN_NUMBER "1" at 7408.94,6942.17 h25; PIN_NUMBER "2" at 7372.94,6942.17 h25
R1057: PIN_NUMBER "1" at 7409.35,6905.29 h25; PIN_NUMBER "2" at 7373.35,6905.29 h25
R1058: PIN_NUMBER "1" at 7480.88,7038.35 h25; PIN_NUMBER "2" at 7444.88,7038.35 h25
R1059: PIN_NUMBER "1" at 7480.88,7005.71 h25; PIN_NUMBER "2" at 7444.88,7005.71 h25
R1060: PIN_NUMBER "1" at 7168.45,6822.75 h25 r270; PIN_NUMBER "2" at 7168.45,6786.75 h25 r270
R1061: PIN_NUMBER "1" at 7380.69,7185.79 h25 r270; PIN_NUMBER "2" at 7380.69,7149.79 h25 r270
R1062: PIN_NUMBER "2" at 7348.55,7906.8 h25 r90; PIN_NUMBER "1" at 7348.55,7870.8 h25 r90
R1063: PIN_NUMBER "2" at 7337.75,7898.19 h25 r270; PIN_NUMBER "1" at 7337.75,7862.19 h25 r270
R1064: PIN_NUMBER "2" at 7303.35,7892.73 h25 r270; PIN_NUMBER "1" at 7303.35,7856.73 h25 r270
R1065: PIN_NUMBER "2" at 7484.41,7728.08 h25; PIN_NUMBER "1" at 7448.41,7728.08 h25
R1066: PIN_NUMBER "2" at 7484.41,7761.4 h25; PIN_NUMBER "1" at 7448.41,7761.4 h25
R1067: PIN_NUMBER "1" at 7190.45,7875.64 h25; PIN_NUMBER "2" at 7226.45,7875.64 h25
R1068: PIN_NUMBER "2" at 6600.55,7575.14 h25 r180; PIN_NUMBER "1" at 6564.55,7575.14 h25 r180
R1069: PIN_NUMBER "2" at 6600.55,7799.8 h25 r180; PIN_NUMBER "1" at 6564.55,7799.8 h25 r180
R1070: PIN_NUMBER "1" at 7482.87,7661.44 h25; PIN_NUMBER "2" at 7446.87,7661.44 h25
R1071: PIN_NUMBER "1" at 7482.87,7694.08 h25; PIN_NUMBER "2" at 7446.87,7694.08 h25
R1072: PIN_NUMBER "2" at 7374.93,7696 h25; PIN_NUMBER "1" at 7410.93,7696 h25
R1073: PIN_NUMBER "2" at 7374.93,7663.18 h25; PIN_NUMBER "1" at 7410.93,7663.18 h25
R1074: PIN_NUMBER "2" at 7375.34,7626.3 h25; PIN_NUMBER "1" at 7411.34,7626.3 h25
R1075: PIN_NUMBER "1" at 7482.87,7759.36 h25; PIN_NUMBER "2" at 7446.87,7759.36 h25
R1076: PIN_NUMBER "1" at 7482.87,7726.72 h25; PIN_NUMBER "2" at 7446.87,7726.72 h25
R1077: PIN_NUMBER "1" at 7170.44,7543.76 h25 r270; PIN_NUMBER "2" at 7170.44,7507.76 h25 r270
R1078: PIN_NUMBER "1" at 7382.68,7906.8 h25 r270; PIN_NUMBER "2" at 7382.68,7870.8 h25 r270
R1079: PIN_NUMBER "1" at 7258.36,7558.74 h25 r270; PIN_NUMBER "2" at 7258.36,7522.74 h25 r270
R1080: PIN_NUMBER "2" at 7346.55,8627.8 h25 r90; PIN_NUMBER "1" at 7346.55,8591.8 h25 r90
R1081: PIN_NUMBER "2" at 7335.75,8619.19 h25 r270; PIN_NUMBER "1" at 7335.75,8583.19 h25 r270
R1082: PIN_NUMBER "2" at 7301.35,8613.73 h25 r270; PIN_NUMBER "1" at 7301.35,8577.73 h25 r270
R1083: PIN_NUMBER "2" at 7482.41,8449.08 h25; PIN_NUMBER "1" at 7446.41,8449.08 h25
R1084: PIN_NUMBER "2" at 7482.41,8482.4 h25; PIN_NUMBER "1" at 7446.41,8482.4 h25
R1085: PIN_NUMBER "1" at 7188.45,8596.64 h25; PIN_NUMBER "2" at 7224.45,8596.64 h25
R1086: PIN_NUMBER "2" at 6600.55,8310.23 h25 r180; PIN_NUMBER "1" at 6564.55,8310.23 h25 r180
R1087: PIN_NUMBER "2" at 6600.55,8516.45 h25 r180; PIN_NUMBER "1" at 6564.55,8516.45 h25 r180
R1088: PIN_NUMBER "1" at 7480.87,8382.44 h25; PIN_NUMBER "2" at 7444.87,8382.44 h25
R1089: PIN_NUMBER "1" at 7480.87,8415.08 h25; PIN_NUMBER "2" at 7444.87,8415.08 h25
R1090: PIN_NUMBER "2" at 7372.93,8417 h25; PIN_NUMBER "1" at 7408.93,8417 h25
R1091: PIN_NUMBER "2" at 7372.93,8384.18 h25; PIN_NUMBER "1" at 7408.93,8384.18 h25
R1092: PIN_NUMBER "2" at 7373.34,8347.3 h25; PIN_NUMBER "1" at 7409.34,8347.3 h25
R1093: PIN_NUMBER "1" at 7480.87,8480.36 h25; PIN_NUMBER "2" at 7444.87,8480.36 h25
R1094: PIN_NUMBER "1" at 7480.87,8447.72 h25; PIN_NUMBER "2" at 7444.87,8447.72 h25
R1095: PIN_NUMBER "1" at 7168.44,8264.76 h25 r270; PIN_NUMBER "2" at 7168.44,8228.76 h25 r270
R1096: PIN_NUMBER "1" at 7380.68,8627.8 h25 r270; PIN_NUMBER "2" at 7380.68,8591.8 h25 r270
R1097: PIN_NUMBER "1" at 7256.36,8279.74 h25 r270; PIN_NUMBER "2" at 7256.36,8243.74 h25 r270
R1098: PIN_NUMBER "2" at 7346.55,9338.8 h25 r90; PIN_NUMBER "1" at 7346.55,9302.8 h25 r90
R1099: PIN_NUMBER "2" at 7335.75,9330.19 h25 r270; PIN_NUMBER "1" at 7335.75,9294.19 h25 r270
R1100: PIN_NUMBER "2" at 7301.35,9324.73 h25 r270; PIN_NUMBER "1" at 7301.35,9288.73 h25 r270
R1101: PIN_NUMBER "2" at 7482.41,9193.4 h25; PIN_NUMBER "1" at 7446.41,9193.4 h25
R1102: PIN_NUMBER "2" at 7482.41,9160.08 h25; PIN_NUMBER "1" at 7446.41,9160.08 h25
R1103: PIN_NUMBER "1" at 7188.45,9307.64 h25; PIN_NUMBER "2" at 7224.45,9307.64 h25
R1104: PIN_NUMBER "2" at 6600.55,9015.02 h25 r180; PIN_NUMBER "1" at 6564.55,9015.02 h25 r180
R1105: PIN_NUMBER "2" at 6600.55,9244.96 h25 r180; PIN_NUMBER "1" at 6564.55,9244.96 h25 r180
R1106: PIN_NUMBER "1" at 7480.87,9126.08 h25; PIN_NUMBER "2" at 7444.87,9126.08 h25
R1107: PIN_NUMBER "1" at 7480.87,9093.44 h25; PIN_NUMBER "2" at 7444.87,9093.44 h25
R1108: PIN_NUMBER "2" at 7372.93,9095.18 h25; PIN_NUMBER "1" at 7408.93,9095.18 h25
R1109: PIN_NUMBER "2" at 7372.93,9128 h25; PIN_NUMBER "1" at 7408.93,9128 h25
R1110: PIN_NUMBER "2" at 7373.34,9058.3 h25; PIN_NUMBER "1" at 7409.34,9058.3 h25
R1111: PIN_NUMBER "1" at 7480.87,9191.36 h25; PIN_NUMBER "2" at 7444.87,9191.36 h25
R1112: PIN_NUMBER "1" at 7480.87,9158.72 h25; PIN_NUMBER "2" at 7444.87,9158.72 h25
R1113: PIN_NUMBER "1" at 7168.44,8975.76 h25 r270; PIN_NUMBER "2" at 7168.44,8939.76 h25 r270
R1114: PIN_NUMBER "1" at 7256.36,8990.74 h25 r270; PIN_NUMBER "2" at 7256.36,8954.74 h25 r270
R1115: PIN_NUMBER "1" at 7380.68,9338.8 h25 r270; PIN_NUMBER "2" at 7380.68,9302.8 h25 r270
RN1: PIN_NUMBER "6" at 10042.79,5827.28 h25 r90; PIN_NUMBER "8" at 9979.8,5827.28 h25 r90; PIN_NUMBER "5" at 10074.29,5827.28 h25 r90; PIN_NUMBER "7" at 10011.3,5827.28 h25 r90; PIN_NUMBER "4" at 10074.29,5900.43 h25 r90; PIN_NUMBER "3" at 10042.79,5900.43 h25 r90; PIN_NUMBER "2" at 10011.3,5900.43 h25 r90; PIN_NUMBER "1" at 9979.8,5900.43 h25 r90
RN2: PIN_NUMBER "1" at 8389.28,9310.27 h25 r270; PIN_NUMBER "2" at 8357.78,9310.27 h25 r270; PIN_NUMBER "3" at 8326.29,9310.27 h25 r270; PIN_NUMBER "4" at 8294.79,9310.27 h25 r270; PIN_NUMBER "6" at 8326.29,9383.42 h25 r270; PIN_NUMBER "8" at 8389.28,9383.42 h25 r270; PIN_NUMBER "5" at 8294.79,9383.42 h25 r270; PIN_NUMBER "7" at 8357.78,9383.42 h25 r270
RN3: PIN_NUMBER "6" at 9852.78,5827.28 h25 r90; PIN_NUMBER "8" at 9789.79,5827.28 h25 r90; PIN_NUMBER "5" at 9884.28,5827.28 h25 r90; PIN_NUMBER "7" at 9821.29,5827.28 h25 r90; PIN_NUMBER "4" at 9884.28,5900.43 h25 r90; PIN_NUMBER "3" at 9852.78,5900.43 h25 r90; PIN_NUMBER "2" at 9821.29,5900.43 h25 r90; PIN_NUMBER "1" at 9789.79,5900.43 h25 r90
RN4: PIN_NUMBER "3" at 8524.29,9309.28 h25 r270; PIN_NUMBER "4" at 8492.79,9309.28 h25 r270; PIN_NUMBER "6" at 8524.29,9382.43 h25 r270; PIN_NUMBER "8" at 8587.28,9382.43 h25 r270; PIN_NUMBER "5" at 8492.79,9382.43 h25 r270; PIN_NUMBER "7" at 8555.78,9382.43 h25 r270; PIN_NUMBER "1" at 8587.28,9309.28 h25 r270; PIN_NUMBER "2" at 8555.78,9309.28 h25 r270
RN5: PIN_NUMBER "6" at 9657.79,5827.28 h25 r90; PIN_NUMBER "8" at 9594.8,5827.28 h25 r90; PIN_NUMBER "5" at 9689.29,5827.28 h25 r90; PIN_NUMBER "7" at 9626.3,5827.28 h25 r90; PIN_NUMBER "4" at 9689.29,5900.43 h25 r90; PIN_NUMBER "3" at 9657.79,5900.43 h25 r90; PIN_NUMBER "2" at 9626.3,5900.43 h25 r90; PIN_NUMBER "1" at 9594.8,5900.43 h25 r90
RN6: PIN_NUMBER "1" at 8783.28,9308.28 h25 r270; PIN_NUMBER "2" at 8751.78,9308.28 h25 r270; PIN_NUMBER "3" at 8720.29,9308.28 h25 r270; PIN_NUMBER "4" at 8688.79,9308.28 h25 r270; PIN_NUMBER "6" at 8720.29,9381.43 h25 r270; PIN_NUMBER "8" at 8783.28,9381.43 h25 r270; PIN_NUMBER "5" at 8688.79,9381.43 h25 r270; PIN_NUMBER "7" at 8751.78,9381.43 h25 r270
RN7: PIN_NUMBER "6" at 9457.79,5827.28 h25 r90; PIN_NUMBER "8" at 9394.8,5827.28 h25 r90; PIN_NUMBER "5" at 9489.29,5827.28 h25 r90; PIN_NUMBER "7" at 9426.3,5827.28 h25 r90; PIN_NUMBER "4" at 9489.29,5900.43 h25 r90; PIN_NUMBER "3" at 9457.79,5900.43 h25 r90; PIN_NUMBER "2" at 9426.3,5900.43 h25 r90; PIN_NUMBER "1" at 9394.8,5900.43 h25 r90
RN8: PIN_NUMBER "1" at 8987.28,9308.28 h25 r270; PIN_NUMBER "2" at 8955.78,9308.28 h25 r270; PIN_NUMBER "3" at 8924.29,9308.28 h25 r270; PIN_NUMBER "4" at 8892.79,9308.28 h25 r270; PIN_NUMBER "6" at 8924.29,9381.43 h25 r270; PIN_NUMBER "8" at 8987.28,9381.43 h25 r270; PIN_NUMBER "5" at 8892.79,9381.43 h25 r270; PIN_NUMBER "7" at 8955.78,9381.43 h25 r270
RN9: PIN_NUMBER "6" at 9262.79,5827.28 h25 r90; PIN_NUMBER "8" at 9199.8,5827.28 h25 r90; PIN_NUMBER "5" at 9294.29,5827.28 h25 r90; PIN_NUMBER "7" at 9231.3,5827.28 h25 r90; PIN_NUMBER "4" at 9294.29,5900.43 h25 r90; PIN_NUMBER "3" at 9262.79,5900.43 h25 r90; PIN_NUMBER "2" at 9231.3,5900.43 h25 r90; PIN_NUMBER "1" at 9199.8,5900.43 h25 r90
RN10: PIN_NUMBER "1" at 9192.28,9308.28 h25 r270; PIN_NUMBER "3" at 9129.29,9308.28 h25 r270; PIN_NUMBER "2" at 9160.78,9308.28 h25 r270; PIN_NUMBER "4" at 9097.79,9308.28 h25 r270; PIN_NUMBER "6" at 9129.29,9381.43 h25 r270; PIN_NUMBER "8" at 9192.28,9381.43 h25 r270; PIN_NUMBER "5" at 9097.79,9381.43 h25 r270; PIN_NUMBER "7" at 9160.78,9381.43 h25 r270
RN11: PIN_NUMBER "6" at 9042.79,5827.28 h25 r90; PIN_NUMBER "8" at 8979.8,5827.28 h25 r90; PIN_NUMBER "5" at 9074.29,5827.28 h25 r90; PIN_NUMBER "7" at 9011.3,5827.28 h25 r90; PIN_NUMBER "4" at 9074.29,5900.43 h25 r90; PIN_NUMBER "3" at 9042.79,5900.43 h25 r90; PIN_NUMBER "2" at 9011.3,5900.43 h25 r90; PIN_NUMBER "1" at 8979.8,5900.43 h25 r90
RN12: PIN_NUMBER "1" at 9397.28,9308.27 h25 r270; PIN_NUMBER "2" at 9365.78,9308.27 h25 r270; PIN_NUMBER "3" at 9334.29,9308.27 h25 r270; PIN_NUMBER "4" at 9302.79,9308.27 h25 r270; PIN_NUMBER "6" at 9334.29,9381.42 h25 r270; PIN_NUMBER "8" at 9397.28,9381.42 h25 r270; PIN_NUMBER "5" at 9302.79,9381.42 h25 r270; PIN_NUMBER "7" at 9365.78,9381.42 h25 r270
RN13: PIN_NUMBER "6" at 8852.78,5827.27 h25 r90; PIN_NUMBER "8" at 8789.79,5827.27 h25 r90; PIN_NUMBER "5" at 8884.28,5827.27 h25 r90; PIN_NUMBER "7" at 8821.29,5827.27 h25 r90; PIN_NUMBER "4" at 8884.28,5900.42 h25 r90; PIN_NUMBER "3" at 8852.78,5900.42 h25 r90; PIN_NUMBER "1" at 8789.79,5900.42 h25 r90; PIN_NUMBER "2" at 8821.29,5900.42 h25 r90
RN14: PIN_NUMBER "1" at 9582.28,9308.27 h25 r270; PIN_NUMBER "2" at 9550.78,9308.27 h25 r270; PIN_NUMBER "3" at 9519.29,9308.27 h25 r270; PIN_NUMBER "4" at 9487.79,9308.27 h25 r270; PIN_NUMBER "6" at 9519.29,9381.42 h25 r270; PIN_NUMBER "8" at 9582.28,9381.42 h25 r270; PIN_NUMBER "5" at 9487.79,9381.42 h25 r270; PIN_NUMBER "7" at 9550.78,9381.42 h25 r270
RN15: PIN_NUMBER "6" at 8667.78,5827.27 h25 r90; PIN_NUMBER "8" at 8604.79,5827.27 h25 r90; PIN_NUMBER "5" at 8699.28,5827.27 h25 r90; PIN_NUMBER "7" at 8636.29,5827.27 h25 r90; PIN_NUMBER "2" at 8636.29,5900.42 h25 r90; PIN_NUMBER "1" at 8604.79,5900.42 h25 r90; PIN_NUMBER "3" at 8667.78,5900.42 h25 r90; PIN_NUMBER "4" at 8699.28,5900.42 h25 r90
RN16: PIN_NUMBER "1" at 9782.28,9308.27 h25 r270; PIN_NUMBER "2" at 9750.78,9308.27 h25 r270; PIN_NUMBER "3" at 9719.29,9308.27 h25 r270; PIN_NUMBER "4" at 9687.79,9308.27 h25 r270; PIN_NUMBER "6" at 9719.29,9381.42 h25 r270; PIN_NUMBER "8" at 9782.28,9381.42 h25 r270; PIN_NUMBER "5" at 9687.79,9381.42 h25 r270; PIN_NUMBER "7" at 9750.78,9381.42 h25 r270
RN17: PIN_NUMBER "8" at 8424.79,5827.27 h25 r90; PIN_NUMBER "7" at 8456.29,5827.27 h25 r90; PIN_NUMBER "2" at 8456.29,5900.42 h25 r90; PIN_NUMBER "1" at 8424.79,5900.42 h25 r90; PIN_NUMBER "3" at 8487.78,5900.42 h25 r90; PIN_NUMBER "4" at 8519.28,5900.42 h25 r90; PIN_NUMBER "5" at 8519.28,5827.27 h25 r90; PIN_NUMBER "6" at 8487.78,5827.27 h25 r90
RN18: PIN_NUMBER "4" at 9862.79,9308.27 h25 r270; PIN_NUMBER "5" at 9862.79,9381.42 h25 r270; PIN_NUMBER "1" at 9957.28,9308.27 h25 r270; PIN_NUMBER "2" at 9925.78,9308.27 h25 r270; PIN_NUMBER "8" at 9957.28,9381.42 h25 r270; PIN_NUMBER "7" at 9925.78,9381.42 h25 r270; PIN_NUMBER "3" at 9894.29,9308.27 h25 r270; PIN_NUMBER "6" at 9894.29,9381.42 h25 r270
RN19: PIN_NUMBER "4" at 10802.81,8123.95 h25; PIN_NUMBER "3" at 10802.81,8155.45 h25; PIN_NUMBER "2" at 10802.81,8186.94 h25; PIN_NUMBER "1" at 10802.81,8218.44 h25; PIN_NUMBER "5" at 10875.96,8123.95 h25; PIN_NUMBER "6" at 10875.96,8155.45 h25; PIN_NUMBER "8" at 10875.96,8218.44 h25; PIN_NUMBER "7" at 10875.96,8186.94 h25
RN20: PIN_NUMBER "1" at 7530.28,6881.25 h25 r180; PIN_NUMBER "2" at 7530.28,6912.75 h25 r180; PIN_NUMBER "3" at 7530.28,6944.24 h25 r180; PIN_NUMBER "4" at 7530.28,6975.74 h25 r180; PIN_NUMBER "8" at 7457.13,6881.25 h25 r180; PIN_NUMBER "7" at 7457.13,6912.75 h25 r180; PIN_NUMBER "5" at 7457.13,6975.74 h25 r180; PIN_NUMBER "6" at 7457.13,6944.24 h25 r180
RN21: PIN_NUMBER "1" at 7532.27,7602.26 h25 r180; PIN_NUMBER "2" at 7532.27,7633.76 h25 r180; PIN_NUMBER "3" at 7532.27,7665.25 h25 r180; PIN_NUMBER "4" at 7532.27,7696.75 h25 r180; PIN_NUMBER "8" at 7459.12,7602.26 h25 r180; PIN_NUMBER "7" at 7459.12,7633.76 h25 r180; PIN_NUMBER "6" at 7459.12,7665.25 h25 r180; PIN_NUMBER "5" at 7459.12,7696.75 h25 r180
RN22: PIN_NUMBER "4" at 7530.27,8417.75 h25 r180; PIN_NUMBER "3" at 7530.27,8386.25 h25 r180; PIN_NUMBER "2" at 7530.27,8354.76 h25 r180; PIN_NUMBER "1" at 7530.27,8323.26 h25 r180; PIN_NUMBER "6" at 7457.12,8386.25 h25 r180; PIN_NUMBER "5" at 7457.12,8417.75 h25 r180; PIN_NUMBER "8" at 7457.12,8323.26 h25 r180; PIN_NUMBER "7" at 7457.12,8354.76 h25 r180
RN23: PIN_NUMBER "1" at 7530.27,9034.26 h25 r180; PIN_NUMBER "2" at 7530.27,9065.76 h25 r180; PIN_NUMBER "4" at 7530.27,9128.75 h25 r180; PIN_NUMBER "3" at 7530.27,9097.25 h25 r180; PIN_NUMBER "6" at 7457.12,9097.25 h25 r180; PIN_NUMBER "5" at 7457.12,9128.75 h25 r180; PIN_NUMBER "8" at 7457.12,9034.26 h25 r180; PIN_NUMBER "7" at 7457.12,9065.76 h25 r180
SW1: PIN_NUMBER "1" at 11344.75,9711.32 h25 r270; PIN_NUMBER "4" at 11344.75,9496.75 h25 r270; PIN_NUMBER "5" at 11244.75,9496.75 h25 r270; PIN_NUMBER "2" at 11244.75,9711.32 h25 r270; PIN_NUMBER "6" at 11144.75,9496.75 h25 r270; PIN_NUMBER "3" at 11144.75,9711.32 h25 r270
TP2: PIN_NUMBER "1" at 10614.58,9342.88 h25 r90
TP3: PIN_NUMBER "1" at 10614.58,8788.13 h25 r90
TP4: PIN_NUMBER "1" at 10152.54,8970.67 h25 r90
U1: PIN_NUMBER "11" at 10886.04,6592.7 h25 r90; PIN_NUMBER "10" at 10886.04,6573.01 h25 r90; PIN_NUMBER "9" at 10896.04,6553.33 h25 r90; PIN_NUMBER "22" at 10649.82,6671.13 h25 r90; PIN_NUMBER "23" at 10630.13,6671.13 h25 r90; PIN_NUMBER "4" at 10896.04,6454.9 h25 r90; PIN_NUMBER "42" at 10708.87,6336.48 h25 r90; PIN_NUMBER "41" at 10689.19,6336.48 h25 r90; PIN_NUMBER "35" at 10551.04,6415.22 h25 r90; PIN_NUMBER "36" at 10551.04,6395.54 h25 r90; PIN_NUMBER "47" at 10807.3,6336.48 h25 r90; PIN_NUMBER "48" at 10826.98,6336.48 h25 r90; PIN_NUMBER "20" at 10689.19,6671.13 h25 r90; PIN_NUMBER "19" at 10708.87,6671.13 h25 r90; PIN_NUMBER "18" at 10728.56,6671.13 h25 r90; PIN_NUMBER "17" at 10748.24,6671.13 h25 r90; PIN_NUMBER "33" at 10551.04,6454.59 h25 r90; PIN_NUMBER "32" at 10551.04,6474.27 h25 r90; PIN_NUMBER "31" at 10551.04,6493.96 h25 r90; PIN_NUMBER "30" at 10551.04,6513.64 h25 r90; PIN_NUMBER "29" at 10551.04,6533.33 h25 r90; PIN_NUMBER "28" at 10551.04,6553.01 h25 r90; PIN_NUMBER "27" at 10551.04,6572.7 h25 r90; PIN_NUMBER "26" at 10551.04,6592.38 h25 r90; PIN_NUMBER "25" at 10551.04,6612.07 h25 r90; PIN_NUMBER "21" at 10669.5,6671.13 h25 r90; PIN_NUMBER "43" at 10728.56,6336.48 h25 r90; PIN_NUMBER "15" at 10787.61,6671.13 h25 r90; PIN_NUMBER "7" at 10896.04,6513.96 h25 r90; PIN_NUMBER "16" at 10767.93,6671.13 h25 r90; PIN_NUMBER "40" at 10669.5,6336.48 h25 r90; PIN_NUMBER "3" at 10896.04,6435.22 h25 r90; PIN_NUMBER "13" at 10826.98,6671.13 h25 r90; PIN_NUMBER "5" at 10896.04,6474.59 h25 r90; PIN_NUMBER "44" at 10748.24,6336.48 h25 r90; PIN_NUMBER "45" at 10767.93,6336.48 h25 r90; PIN_NUMBER "14" at 10807.3,6671.13 h25 r90; PIN_NUMBER "8" at 10896.04,6533.64 h25 r90; PIN_NUMBER "34" at 10551.04,6434.9 h25 r90; PIN_NUMBER "46" at 10787.61,6336.48 h25 r90; PIN_NUMBER "12" at 10886.04,6612.38 h25 r90; PIN_NUMBER "24" at 10610.45,6671.13 h25 r90; PIN_NUMBER "39" at 10649.82,6336.48 h25 r90; PIN_NUMBER "37" at 10610.45,6336.48 h25 r90; PIN_NUMBER "38" at 10630.13,6336.48 h25 r90; PIN_NUMBER "6" at 10896.04,6494.27 h25 r90; PIN_NUMBER "1" at 10896.04,6395.85 h25 r90; PIN_NUMBER "2" at 10896.04,6415.53 h25 r90; DIMENSION "19.69" at 11183.54,6160.85 h25 r90; DIMENSION "0.5" at 11183.54,6316.85 h25 r90; DIMENSION "340.70" at 10908.54,6613.85 h25 r90; DIMENSION "8.65" at 10908.54,6791.85 h25 r90; DIMENSION "340.70" at 10653.54,6263.85 h25 r90; DIMENSION "8.65" at 10653.54,6441.85 h25 r90; DIMENSION "216.54" at 10908.54,5924.85 h25 r90; DIMENSION "5.5" at 10908.54,6102.85 h25 r90
U2: PIN_NUMBER "5" at 10687.04,7065.85 h25 r90; PIN_NUMBER "6" at 10637.04,7065.85 h25 r90; PIN_NUMBER "7" at 10587.04,7065.85 h25 r90; PIN_NUMBER "3" at 10637.04,6845.85 h25 r90; PIN_NUMBER "2" at 10587.04,6845.85 h25 r90; PIN_NUMBER "1" at 10537.04,6845.85 h25 r90; PIN_NUMBER "8" at 10537.04,7065.85 h25 r90; PIN_NUMBER "4" at 10687.04,6845.85 h25 r90